# Altium PCB PCB2.PcbDoc (part 2 of 2)
Units mil, origin at the board's own origin, x right, y up, seen from the top; angles counter-clockwise.
Board outline 3937.01 x 3937.01 mil, 4 copper layers (Top Layer, PWR3, GND2, Bottom Layer), stack 72.967 mil thick; 154 components, 220 nets, 667 pads, 462 vias.
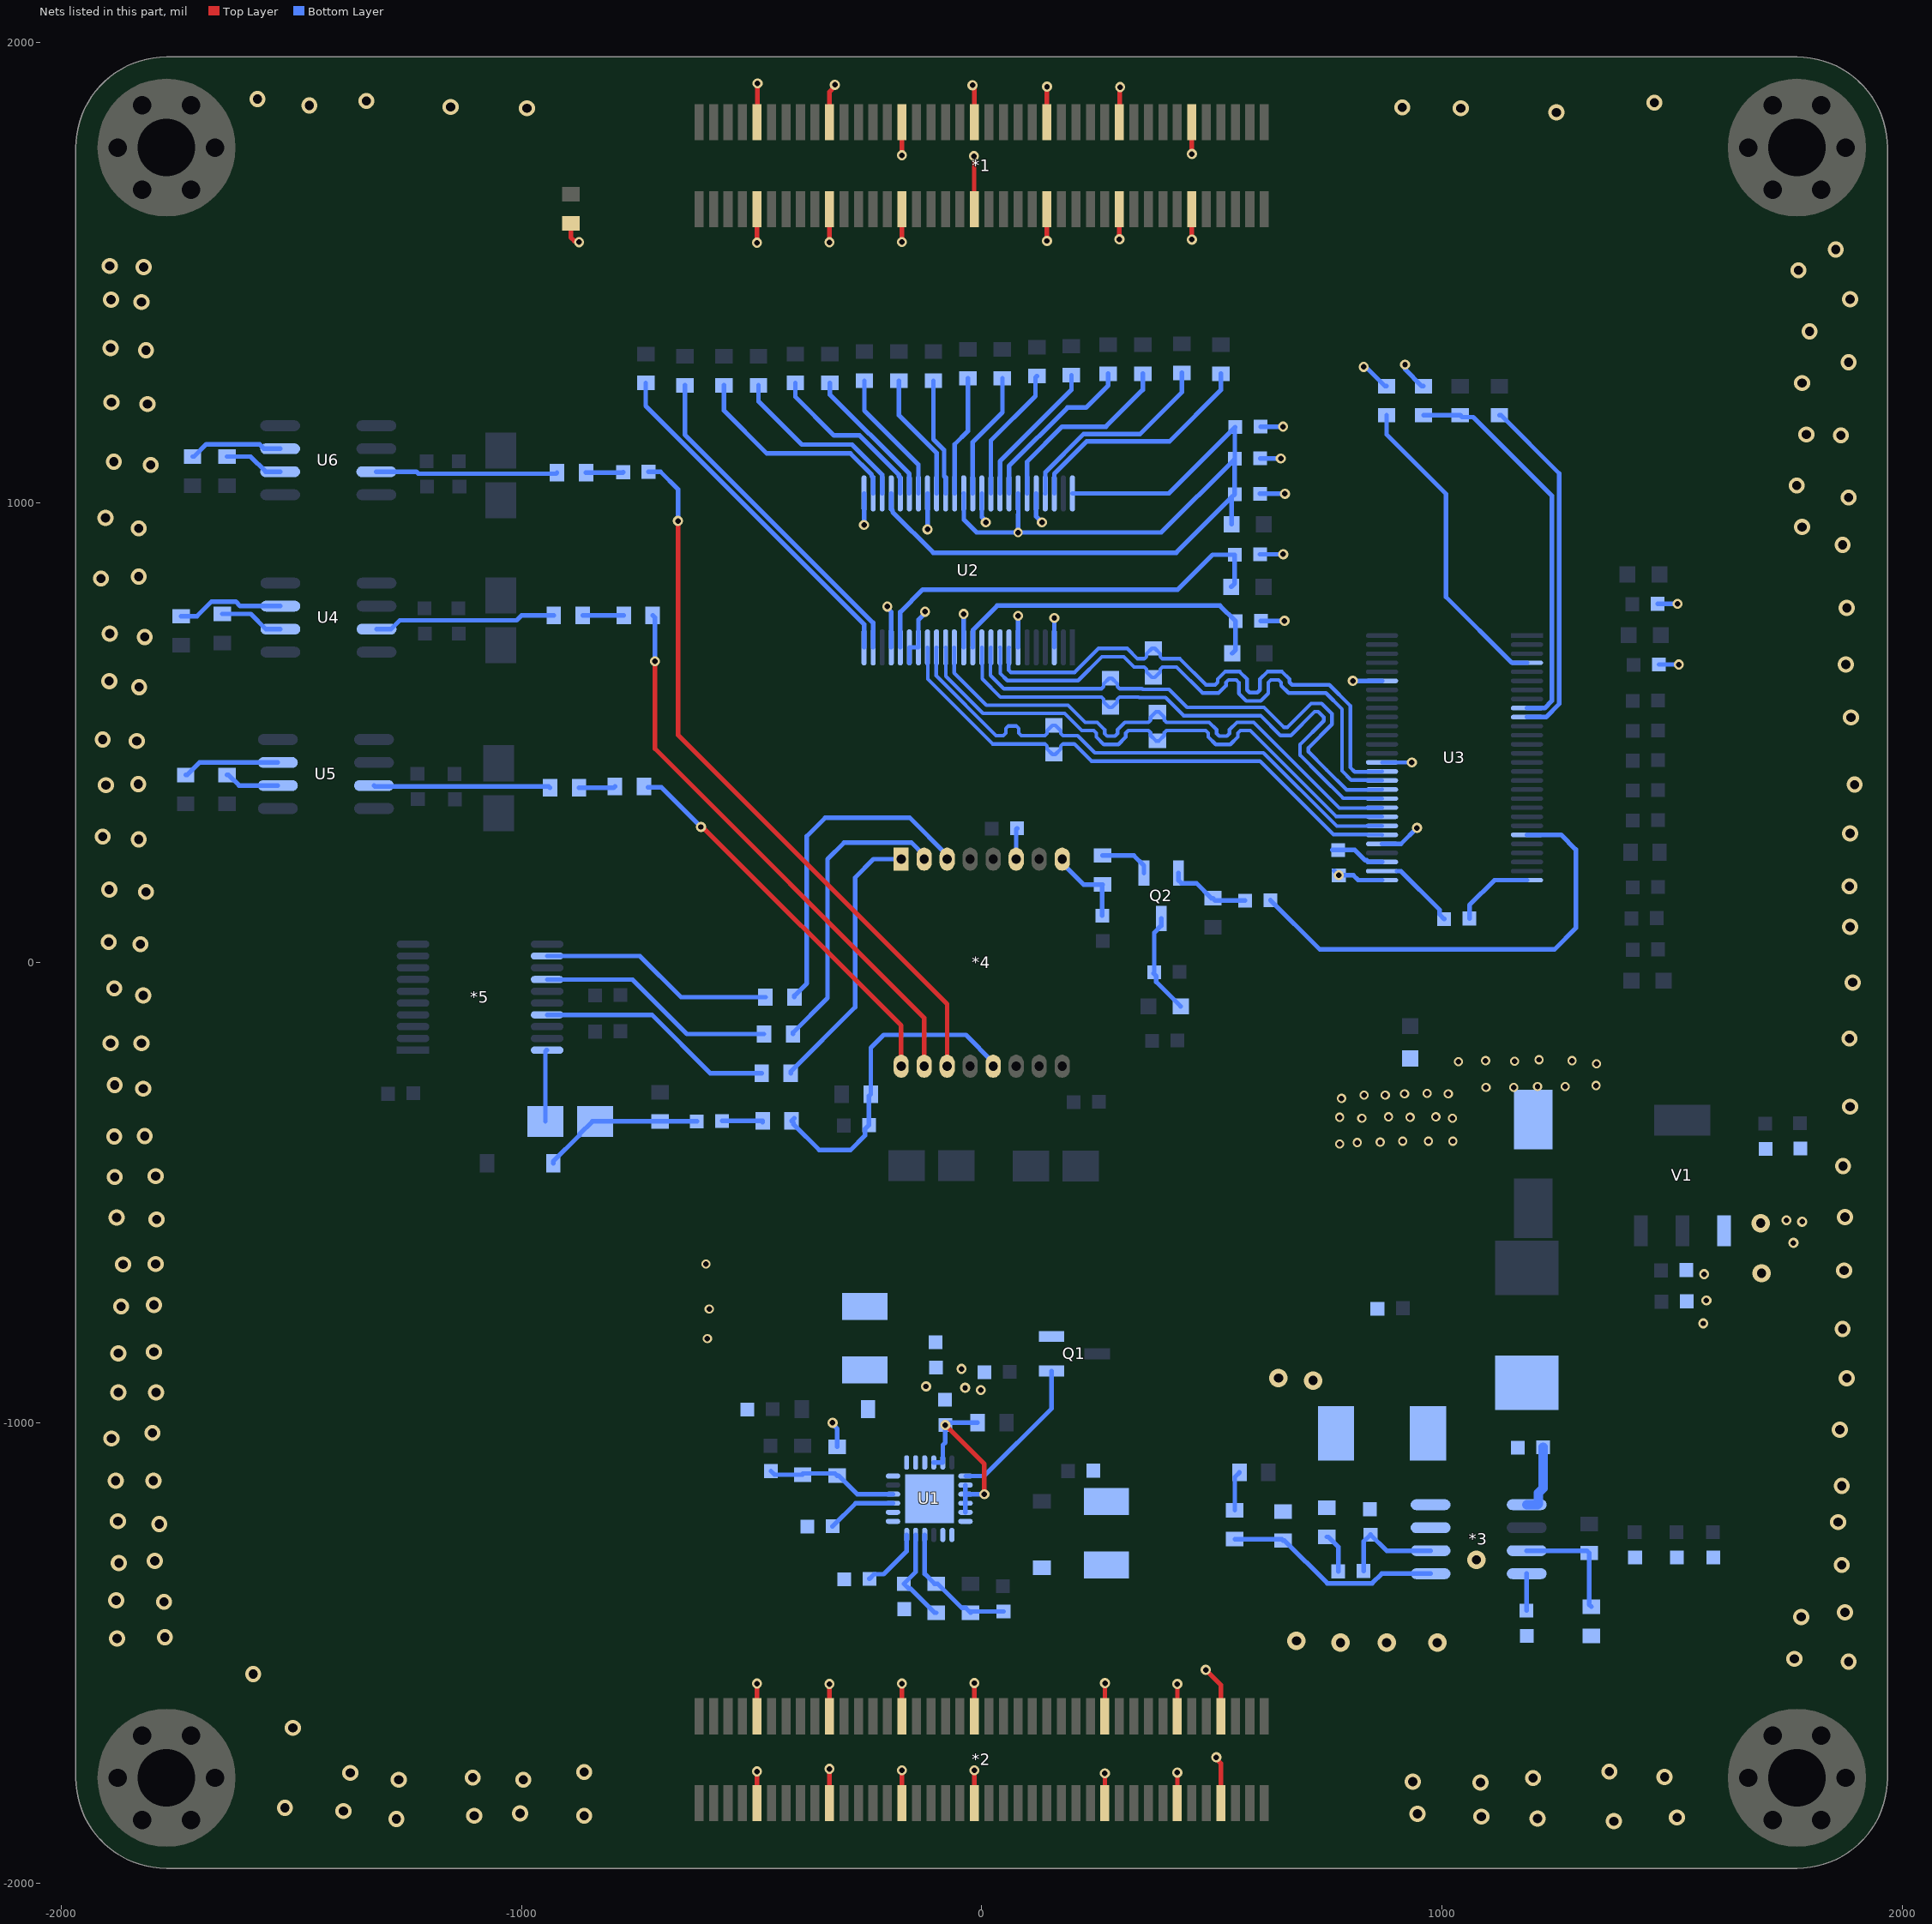
[diagram p4: the nets of this part, all layers, seen from the top]

## Via types
v1: diameter 20, hole 12, Top Layer to Bottom Layer, 172 vias
v2: diameter 22, hole 12, Top Layer to Bottom Layer, 145 vias
v3: diameter 35, hole 20, Top Layer to Bottom Layer, 128 vias
v4: diameter 40, hole 20, Top Layer to Bottom Layer, 14 vias
v5: diameter 50, hole 25, Top Layer to Bottom Layer, 3 vias

## Nets (pads, with @x,y where several pads share a name; then routed paths per layer and width w, separated by ;. In a path a pad name is that pad's centre, name@x,y a point inside that pad or via, vN(x,y) a via of type N, cw(c..) or ccw(c..) an arc to the next point about the centre after c; other vN are vias at no path point) (continued)
GND: *1.9 *1.10 *1.19 *1.20 *1.29 *1.30 *1.39 *1.40 *1.49 *1.50 *1.59 *1.60 *1.69 *1.70 *2.7 *2.8 *2.13 *2.14 *2.23 *2.24 *2.41 *2.42 *2.51 *2.52 *2.61 *2.62 *2.71 *2.72 *3.7 C1.1 C3.1 C4.1 C5.1 C6.1 C7.1 C8.1 C9.1 C10.1 C12.2 C13.2 C14.2 C16.1 C17.1 C18.1 C19.1 C21.1 C22.1 C23.1 C24.1 C25.1 C26.1 C32.1 C34.2 C38.1 C39.1 D3.A EC1.2 L2.1 L9.1 R2.1 R8.1 R10.1 R11.1 R12.1 R16.1 R33.1 U1.2 U1.3 U1.12 U1.19 U1.20 U1.25 U2.3 U2.7 U2.13 U2.18 U2.19 U2.21 U2.25 U2.32 U2.38 U2.44 U3.29 U3.33 U3.42 U3.51 V1.1 | length 3769
  Top Layer w10: R33.1@-893,1607.01 -893,1576.26 -885.15,1568.41 -877.18,1568.41 v2(-874.89,1566.11) ; *2.71@-488.19,-1826.77 v2(-488.19,-1757.81) ; *2.72@-488.19,-1637.8 v2(-488.19,-1566.81) ; v2(-488.19,1564.81) *1.10@-488.19,1637.8 ; *1.9@-488.19,1826.77 -487.6,1827.37 -487.6,1910.4 v2(-487,1911) ; *2.61@-330.71,-1826.77 v2(-330.71,-1752.29) ; *2.62@-330.71,-1637.8 v2(-330.71,-1567.71) ; v2(-330.71,1565.71) *1.20@-330.71,1637.8 ; *1.19@-330.71,1826.77 -330.71,1893.04 -319,1904.75 v2(-319,1908) ; *2.51@-173.23,-1826.77 v2(-173.23,-1755.23) ; *2.52@-173.23,-1637.8 v2(-173.23,-1566.77) ; v2(-173.23,1566.23) *1.30@-173.23,1637.8 ; v2(-173.23,1754.77) *1.29@-173.23,1826.77 ; v2(-20,1907) -20,1903.75 -15.87,1899.63 -15.87,1826.9 *1.39@-15.75,1826.77 ; v2(-17,1753) -16.37,1752.37 -16.37,1638.42 *1.40@-15.75,1637.8 ; *2.41@-15.75,-1826.77 v2(-15.75,-1755.25) ; *2.42@-15.75,-1637.8 v2(-15.75,-1565.75) ; v2(141.73,1568.73) *1.50@141.73,1637.8 ; *1.49@141.73,1826.77 141.87,1826.91 141.87,1903.87 v2(142,1904) ; *2.23@267.72,-1826.77 v2(267.72,-1761.72) ; *2.24@267.72,-1637.8 267.86,-1637.65 267.86,-1566.14 v2(268,-1566) ; v2(299.21,1572.21) *1.60@299.21,1637.8 ; *1.59@299.21,1826.77 300.11,1827.66 300.11,1902.11 v2(301,1903) ; *2.13@425.2,-1826.77 v2(425.2,-1760.2) ; *2.14@425.2,-1637.8 v2(425.2,-1567.8) ; v2(456.69,1571.69) *1.70@456.69,1637.8 ; v2(456.69,1757.69) *1.69@456.69,1826.77 ; v2(487,-1537) 519.69,-1569.69 *2.8@519.69,-1637.8 ; v2(510,-1727) 510,-1730.25 519.69,-1739.93 *2.7@519.69,-1826.77
  Bottom Layer w8: U3.42@870,435.31 v2(934.69,435.31)
  Bottom Layer w10: v2(-324,-1000) -324,-1003.25 -314,-1013.25 R2.1@-314,-1052.01 ; v2(-255.59,951.41) U2.25@-255.59,1020 ; v2(-205,774) -205,770.75 -196.54,762.29 U2.21@-196.54,685.35 ; U2.19@-157.17,651.21 U2.19@-157.17,685.35 U2.18@-137.48,685.35 -137.48,745.27 -123,759.75 v2(-123,763) ; v2(-117.8,941.8) U2.32@-117.8,1020 ; U2.13@-39.05,685.35 v2(-39.05,757.95) ; U2.38@0.31,1020 0.31,968.4 9,959.72 v2(9,957) ; U2.7@79.06,685.35 v2(79.06,753.94) ; U2.44@118.43,1020 118.43,969.57 v2(131,957) ; U2.3@157.8,685.35 v2(157.8,749.2) ; C32.1@604.79,887.67 v2(655.33,887.67) ; C24.1@604.79,1019.11 v2(658.89,1019.11) ; C23.1@605,1096 v2(650,1096) ; C25.1@606,1165 v2(655,1165) ; C26.1@606.79,743 v2(658,743) ; C34.2@766,200 v2(776,190) 807.7,190 818.3,179.41 U3.29@870,179.41 ; v2(806.48,612.48) U3.51@870,612.48 ; v2(830,1295) 834.74,1295 876.75,1252.99 R16.1@880,1252.99 ; U3.33@870,258.15 911.15,258.15 v2(946,293) ; v2(920,1300) 920,1289.74 956.75,1252.99 R12.1@960,1252.99 ; C38.1@1469,780 v2(1512,780) ; C39.1@1472,648 v2(1515,648)
  other v1: -596,-817 -592,-753 -599,-655 778,-394 816,-391 866,-390 915,-388 971,-388 1024,-388 826,-338 1023,-338 778,-336 931,-336 884,-335 987,-335 782,-295 831,-288 877,-288 919,-285 1014,-285 968,-284 1096,-271 1156,-271 1208,-269 1268,-269 1335,-267 1336,-220 1036,-215 1158,-214 1095,-213 1283,-213 1211,-211
  other v2: -2,-929 -36,-924 -121,-921 -44,-883 1568,-784 1575,-734 1570,-677 1764,-609 1783,-563 1749,-560
  other v3: 1374,-1866 -1272,-1861 1208,-1860 1511,-1858 1086,-1856 -1103,-1854 -864,-1854 947,-1850 -1003,-1849 -1387,-1844 -1514,-1837 1084,-1782 937,-1780 -1267,-1776 -996,-1776 1198,-1772 -1106,-1771 1484,-1770 -1372,-1761 -864,-1759 1364,-1758 -1497,-1663 -1583,-1546 1884,-1519 1766,-1513 -1879,-1469 -1775,-1466 1781,-1422 1876,-1412 -1777,-1389 -1881,-1386 1869,-1309 -1875,-1305 -1797,-1300 -1787,-1220 1861,-1216 -1877,-1214 1869,-1137 -1882,-1126 -1800,-1126 -1891,-1034 -1802,-1022 1865,-1015 -1876,-934 -1794,-934 1880,-903 -1876,-849 -1799,-846 1871,-796 -1870,-747 -1799,-744 1874,-669 -1866,-656 -1795,-655 -1793,-558 -1880,-554 1876,-553 -1884,-466 -1795,-464 1872,-442 -1885,-378 -1819,-377 1887,-313 -1822,-274 -1884,-266 -1893,-175 -1826,-175 1886,-165 -1822,-71 -1885,-56 1893,-43 -1828,40 -1897,45 1887,78 -1816,154 -1896,159 1886,166 -1832,268 -1910,274 1887,281 -1903,386 1897,387 -1833,388 -1836,482 -1910,485 1889,533 -1831,599 -1896,612 1878,648 -1819,708 -1895,715 1880,771 -1914,835 -1832,839 1871,908 -1832,944 1783,947 -1904,967 1884,1011 1771,1037 -1806,1082 -1886,1089 1867,1146 1792,1148 -1813,1214 -1891,1218 1783,1260 1884,1305 -1816,1331 -1893,1336 1799,1372 -1826,1436 -1892,1441 1887,1442 1775,1505 -1821,1512 -1895,1514 1856,1550 1249,1848 -988,1857 1041,1857 914,1859 -1154,1860 -1461,1863 1462,1869 -1337,1873 -1574,1877
  other v4: 780,-1478 880,-1478 990,-1478 684.09,-1474.13 1075,-1298 720,-908 645,-903 1695,-675 1693,-566
H1: *4.15 R42.1 | length 1224.4
  Top Layer w10: v2(-710,655) -710,465 -125,-120 *4.15@-125,-225
  Bottom Layer w10: R42.1@-715,755 -710,750 v2(-710,655)
H2: *4.16 R43.1 | length 852.7
  Top Layer w10: v2(-610,295) -606.75,295 -175,-136.75 *4.16@-175,-225
  Bottom Layer w10: R43.1@-725,381 -696,381 v2(-610,295)
Net*3_1: *3.1 C15.1 | length 153.6
  Bottom Layer w20: *3.1@1184.49,-1178 1208.13,-1178 1209.8,-1176.33 1209.8,-1152.69 1220,-1142.49 C15.1@1220,-1053
Net*3_3: *3.3 R7.1 R8.2 | length 256.7
  Bottom Layer w10: *3.3@1184.49,-1278 1315,-1278 R7.1@1320,-1283 1320,-1395.01 R8.2@1325,-1400.01
Net*3_4: *3.4 C22.2 | length 80.2
  Bottom Layer w10: C22.2@1184,-1408 1184.49,-1407.51 *3.4@1184.49,-1328
Net*3_5: *3.5 R9.1 R11.2 | length 474
  Bottom Layer w10: R9.1@550,-1253 652.01,-1253 R11.2@655,-1255.99 658.25,-1255.99 751.26,-1349 848.56,-1349 869.56,-1328 *3.5@975.51,-1328
Net*3_6: *3.6 C20.2 C21.2 | length 230.2
  Bottom Layer w10: C20.2@830,-1322 830,-1258 C21.2@845,-1243 880,-1278 *3.6@975.51,-1278
Net*3_8: *3.8 C15.2 D3.K L3.1
Net*4_6: *4.6 C41.1 | length 67.8
  Bottom Layer w10: *4.6@75,225 75,290 C41.1@77,292
Net*5_12: *5.12 R47.2 | length 511.4
  Bottom Layer w10: *5.12@-944.33,14.57 -742.77,14.57 -653.2,-75 R47.2@-470,-75
Net*5_14: *5.14 R46.2 | length 520.4
  Bottom Layer w10: *5.14@-944.33,-36.61 -758.67,-36.61 -640.28,-155 R46.2@-472.99,-155
Net*5_17: *5.17 R45.2 | length 518.8
  Bottom Layer w10: *5.17@-944.33,-113.39 -716.61,-113.39 -590,-240 R45.2@-477.99,-240
Net*5_20: *5.20 TC4.2 | length 157.1
  Bottom Layer w10: TC4.2@-948.15,-345 -948.15,-192.81 -945.49,-190.16 *5.20@-944.33,-190.16
NetC1_2: C1.2 L1.1 Q1.2
NetC2_1: C2.1 R1.1 R2.2 U1.22 | length 287.3
  Bottom Layer w10: C2.1@-458,-1105 -450.01,-1112.99 R1.1@-389,-1112.99 ; R1.1@-389,-1110 -319,-1110 R2.2@-314,-1115 -310.75,-1115 -270.59,-1155.16 U1.22@-192.73,-1155.16
NetC4_2: C4.2 R3.2 U1.17 | length 212.9
  Bottom Layer w10: U1.17@-143.52,-1243.74 -143.52,-1324.53 C4.2@-169,-1350 -159,-1360 -155.24,-1360 -102.25,-1412.99 R3.2@-99,-1412.99
NetC10_2: C10.2 R4.1 U1.4 U1.5 U1.8 U1.9 U1.10 U1.11 | length 453.7
  Top Layer w10: v2(-79,-1005) 5.84,-1089.84 v2(5.84,-1155.16)
  Bottom Layer w10: U1.4@-104.15,-1086.26 U1.5@-84.47,-1086.26 -84.47,-1048.11 -79,-1042.64 v2(-79,-1005) ; C10.2@-74,-1000 R4.1@-9,-1000 ; U1.11@-35.26,-1194.53 U1.10@-35.26,-1174.84 U1.9@-35.26,-1155.16 ; U1.8@-35.26,-1135.47 U1.9@-35.26,-1155.16 ; v2(5.84,-1155.16) U1.9@-35.26,-1155.16
NetC11_2: C11.2 R3.1 R5.2 U1.16 | length 292
  Bottom Layer w10: U1.16@-123.84,-1243.74 -123.84,-1328.41 -102.25,-1350 R3.1@-99,-1350 -95.75,-1350 -43.51,-1402.24 -34.75,-1402.24 R5.2@-24,-1412.99 -21.22,-1410.21 C11.2@47.35,-1410.21
NetC13_1: C13.1 U1.21 | length 152
  Bottom Layer w10: C13.1@-324,-1225 -273.85,-1174.84 U1.21@-192.73,-1174.84
NetC14_1: C14.1 U1.18 | length 141.2
  Bottom Layer w10: C14.1@-244,-1339 -234,-1329 -213,-1329 -162.9,-1278.89 U1.18@-162.9,-1243.74
NetC20_1: C20.1 R10.2 | length 87.3
  Bottom Layer w10: R10.2@750,-1248 753.25,-1248 775,-1269.75 C20.1@775,-1323
NetC23_2: C23.2 C24.2 C25.2 L4.2 U2.28 U2.36 U2.42 U2.48 | length 2296.1
  Bottom Layer w10: U2.28@-196.54,1020 -196.54,985.86 -193.35,982.67 -193.35,979.3 -105.05,891 422.68,891 C24.2@543,1011.32 ; U2.36@-39.05,1020 -38.86,1019.81 -38.86,962.86 -11,935 v1(79,935) ; U2.42@79.06,985.86 U2.42@79.06,1020 ; U2.42@79.56,981.98 79.56,974.65 79,974.1 v1(79,935) ; U2.48@197.17,1020 407,1020 C25.2@550,1163 ; L4.2@543,953 C24.2@543,1011.32 ; C25.2@551,1164 C25.2@550,1163 ; v1(79,935) 390,935 C23.2@549.79,1094.79 ; C24.2@543,1011.32 C24.2@549.79,1018.11 C23.2@549.79,1094.79 ; C23.2@549.79,1094.79 C23.2@550,1095 C25.2@550,1163
NetC26_2: C26.2 L5.2 U2.12 | length 717.5
  Bottom Layer w10: U2.12@-19.37,685.35 -19.18,685.55 -19.18,723.06 33.7,775.94 517.84,775.94 C26.2@551.79,742 551.79,679.8 L5.2@544.32,672.34
NetC32_2: C32.2 L6.2 U2.20 | length 927.8
  Bottom Layer w10: U2.20@-176.85,685.35 -176.85,762.15 -128,811 426,811 501.67,886.67 C32.2@549.79,886.67 549.79,824.47 L6.2@542.32,817
NetC33_1: C33.1 U3.30 | length 151
  Bottom Layer w10: U3.30@902.94,199.09 910.91,199.09 995,115 995,105 C33.1@1005,95
NetC33_2: C33.2 U3.28 | length 176.5
  Bottom Layer w10: C33.2@1060,96 1060,125 1114.41,179.41 U3.28@1184.96,179.41
NetC34_1: C34.1 U3.31 | length 118.5
  Bottom Layer w10: C34.1@762.37,245 810.84,245 833.37,222.46 836.32,222.46 840,218.78 U3.31@870,218.78
NetC40_2: C40.2 L11.1 Q2.3 | length 219.9
  Bottom Layer w10: C40.2@373,-23 379.36,-29.36 379.36,-41.86 L11.1@432.5,-95 ; C40.2@375,-21 375,65.18 390.1,80.28 Q2.3@390.1,96.03
NetC44_2: C44.2 Q2.2 R41.2 | length 179.1
  Bottom Layer w10: Q2.2@427.5,195 427.5,179.25 434.31,172.44 466.81,172.44 499.25,140 R41.2@502.5,140 507.5,135 C44.2@572.5,135
NetC46_2: C46.2 R56.1 | length 81.4
  Bottom Layer w10: R56.1@-860,1065 -780,1065 C46.2@-779,1066
NetC49_1: C49.1 R44.2 | length 91.3
  Bottom Layer w10: C49.1@-564,-344 -476.13,-344 R44.2@-476,-343.87 R44.2@-476,-347.12
NetC49_2: C49.2 D4.K R51.2 TC4.1 | length 353.2
  Bottom Layer w10: D4.K@-931,-436 -931,-432.06 -874.37,-375.43 -874.37,-373.46 -845.91,-345 TC4.1@-840,-345 R51.2@-699,-345 C49.2@-619,-345
NetD1_A: D1.A L1.2 U1.1 U1.24
NetD2_K: D2.K L2.2 U1.13 U1.14
NetQ1_1: Q1.1 U1.7 | length 329.4
  Bottom Layer w10: U1.7@-35.06,-1115.6 5.4,-1115.6 152.03,-968.97 Q1.1@152.03,-887.41
NetQ2_1: Q2.1 R39.1 | length 114.7
  Bottom Layer w10: R39.1@263,232.99 330.45,232.99 352.7,210.75 Q2.1@352.7,195
NetR6_1: R6.1 R9.2 | length 86.2
  Bottom Layer w10: R9.2@550,-1190.01 550,-1118 R6.1@560,-1108
NetR12_2: R12.2 R25.2 U3.9 | length 858
  Bottom Layer w10: R12.2@960,1190 R25.2@1040,1190 1044.14,1185.86 1068.14,1185.86 1239,1015 1239,569 1223.43,553.43 U3.9@1184.96,553.43
NetR13_1: R13.1 U2.24 | length 771.2
  Bottom Layer w10: R13.1@-730,1260 -730,1210 -255.59,735.59 U2.24@-255.59,685.35
NetR14_1: R14.1 U2.26 | length 475.6
  Bottom Layer w10: R14.1@-560,1255 -560,1200 -467,1107 -285.39,1107 -239.09,1060.7 -239.09,1057.32 -235.91,1054.14 U2.26@-235.91,1020
NetR15_1: R15.1 U2.27 | length 410.3
  Bottom Layer w10: R15.1@-485,1255 -485,1220 -391,1126 -281.76,1126 -216.41,1060.65 -216.41,1020.19 U2.27@-216.22,1020
NetR16_2: R16.2 U3.4 | length 683.8
  Bottom Layer w10: R16.2@880,1190 880,1148 1009,1019 1009,794.87 1152.02,651.85 U3.4@1184.96,651.85
NetR18_1: R18.1 U2.29 | length 367.1
  Bottom Layer w10: R18.1@-405,1260 -405,1230 -321,1146 -265.33,1146 -180.04,1060.7 -180.04,1057.76 -180.04,1057.33 -176.85,1054.14 U2.29@-176.85,1020
NetR19_1: R19.1 U2.30 | length 311.6
  Bottom Layer w10: R19.1@-330,1260 -330,1235 -157.36,1062.36 -157.36,1020.19 U2.30@-157.17,1020
NetR21_1: R21.1 U2.31 | length 293.7
  Bottom Layer w10: R21.1@-255,1265 -255,1200 -137.48,1082.48 U2.31@-137.48,1020
NetR22_1: R22.1 U2.33 | length 278.9
  Bottom Layer w10: R22.1@-180,1265 -180,1190 -98.11,1108.11 U2.33@-98.11,1020
NetR24_1: R24.1 U2.34 | length 256
  Bottom Layer w10: R24.1@-105,1265 -105,1137.63 -81.61,1114.24 -81.61,1057.32 -78.43,1054.14 U2.34@-78.43,1020
NetR26_1: R26.1 U2.35 | length 261.9
  Bottom Layer w10: U2.35@-58.74,1020 -58.74,1126.61 -30,1155.35 R26.1@-30,1270
NetR27_2: R27.2 U3.10 | length 765.3
  Bottom Layer w10: R27.2@1125,1190 1128.25,1190 1255,1063.25 1255,562.37 1226.37,533.74 U3.10@1184.96,533.74
NetR29_1: R29.1 U2.37 | length 276.7
  Bottom Layer w10: U2.37@-19.37,1020 -19.37,1131.6 45,1195.98 R29.1@45,1270
NetR30_1: R30.1 U2.39 | length 296.4
  Bottom Layer w10: U2.39@20,1020 20,1135 116.75,1231.75 116.75,1271.75 R30.1@120,1275
NetR31_1: R31.1 U2.40 | length 321.3
  Bottom Layer w10: U2.40@39.69,1020 39.69,1089.69 195,1245 R31.1@195,1277.01
NetR32_1: R32.1 U2.41 | length 372.7
  Bottom Layer w10: U2.41@59.37,1020 59.37,1079.37 186.43,1206.43 226.43,1206.43 275,1255 R32.1@275,1280
NetR34_1: R34.1 U2.43 | length 419.7
  Bottom Layer w10: U2.43@98.74,1020 98.74,1088.74 174.98,1164.98 269.98,1164.98 350,1245 R34.1@350,1280
NetR35_1: R35.1 U2.45 | length 456.8
  Bottom Layer w10: U2.45@138.11,1020 138.3,1020.19 138.3,1065.93 221.35,1148.98 343.98,1148.98 435,1240 R35.1@435,1282.01
NetR36_1: R36.1 U2.46 | length 515.5
  Bottom Layer w10: U2.46@157.8,1020 157.83,1062.83 227.98,1132.98 407.98,1132.98 520,1245 R36.1@520,1280
NetR37_1: R37.1 U2.23 | length 739.1
  Bottom Layer w10: R37.1@-645,1255 -645,1147.63 -236.1,738.73 -236.1,685.55 U2.23@-235.91,685.35
NetR42_2: R42.2 R49.1 | length 89
  Bottom Layer w10: R49.1@-867.01,755 R42.2@-777.99,755
NetR43_2: R43.2 R53.1 | length 79.2
  Bottom Layer w10: R53.1@-875,380 -800,380 R43.2@-797,383
NetR48_2: R48.2 U4.2 | length 139.7
  Bottom Layer w10: R48.2@-1650,757.99 -1588.46,757.99 -1555.47,725 U4.2@-1523.98,725
NetR49_2: R49.2 U4.7 | length 397.4
  Bottom Layer w10: U4.7@-1315,725 -1283.5,725 -1264.5,744 -1010.76,744 -999.76,755 R49.2@-930,755
NetR50_1: R50.1 U4.3 | length 233.2
  Bottom Layer w10: R50.1@-1740,752.99 -1705.3,752.99 -1673.55,784.74 -1621.23,784.74 -1611.49,775 U4.3@-1523.98,775
NetR52_2: R52.2 U5.2 | length 120
  Bottom Layer w10: R52.2@-1640,407.99 -1636.75,407.99 -1613.76,385 U5.2@-1529.49,385
NetR53_2: R53.2 U5.7 | length 384.6
  Bottom Layer w10: U5.7@-1320.51,385 -1318.29,382.78 -940.77,382.78 R53.2@-937.99,380
NetR54_1: R54.1 U5.3 | length 211.7
  Bottom Layer w10: R54.1@-1730,407.99 -1726.75,407.99 -1699.74,435 U5.3@-1529.49,435
NetR55_2: R55.2 U6.2 | length 129.2
  Bottom Layer w10: R55.2@-1640,1100 -1588.98,1100 -1555.98,1067.01 U6.2@-1524.49,1067.01
NetR56_2: R56.2 U6.7 | length 395.2
  Bottom Layer w10: U6.7@-1315.51,1067.01 -1228.56,1067.01 -1224.34,1062.78 -925.21,1062.78 R56.2@-922.99,1065
NetR57_1: R57.1 U6.3 | length 205.6
  Bottom Layer w10: R57.1@-1715,1100 -1711.75,1100 -1685,1126.75 -1569.41,1126.75 -1559.67,1117.01 U6.3@-1524.49,1117.01
OS: C44.1 U3.23 | length 1017.1
  Bottom Layer w10: C44.1@627.5,136 734.5,29 1245,29 1291,75 1291,246 1259.17,277.83 U3.23@1184.96,277.83
RG: *4.14 C46.1 | length 1571.1
  Top Layer w10: v2@-660,955 -660,495 -75,-90 *4.14@-75,-225
  Bottom Layer w10: C46.1@-724,1067 -698,1067 -660,1029 v2(-660,960)
SUB: *4.12 C42.2 R40.2 R44.1 | length 724.1
  Bottom Layer w10: R44.1@-407.01,-337.87 R44.1@-413.01,-343.87 -408.88,-348 -408.88,-351.25 -353,-407.13 -285.13,-407.13 -253.61,-375.61 -253.61,-361.61 C42.2@-245,-353 -245,-289.99 R40.2@-241.01,-286 -241.01,-185.01 -213,-157 -34.5,-157 25,-216.5 *4.12@25,-225 *4.12@25,-233.5
TXCLK+: R28.2 U2.17 U3.34 | length 1222.3
  Bottom Layer w8: U2.17@-117.8,685.35 -117.22,684.78 -117.22,648.79 -116.95,648.52 -116.95,616.28 23.82,475.5 137.32,475.5 142,470.82 142,464.76 153.75,453.01 R28.2@157,453.01 160.25,453.01 172,464.76 172,470.82 176.68,475.5 201.13,475.5 238.37,438.26 604.74,438.26 764.32,278.68 837.74,278.68 838.2,278.22 869.62,278.22 U3.34@870,277.83
TXCLK-: R28.1 U2.16 U3.35 | length 1221.6
  Bottom Layer w8: U2.16@-98.11,685.35 -98.68,684.78 -98.68,648.79 -98.95,648.52 -98.95,623.73 31.28,493.5 34.87,493.5 46.8,493.5 52.4,499.1 52.4,509.02 58,514.62 74.8,514.62 80.4,509.02 80.4,499.1 86,493.5 118,493.5 137.32,493.5 142,498.19 142,504.25 153.75,516 R28.1@157,516 160.25,516 172,504.25 172,498.19 176.68,493.5 208.58,493.5 245.83,456.26 612.2,456.26 771.78,296.68 837.74,296.68 838.2,297.14 869.62,297.14 U3.35@870,297.52
TXOUT0+: R17.2 U2.9 U3.40 | length 1227.6
  Bottom Layer w8: U2.9@39.69,685.35 40.26,684.78 40.26,648.79 40.53,648.52 40.53,628.36 55.76,613.13 209.41,613.13 261.28,665 308.79,665 331.3,642.5 353.32,642.5 358,637.81 358,631.75 369.75,620 R17.2@373,620 376.25,620 388,631.75 388,637.81 392.68,642.5 423.5,642.5 480,586 489.5,586 514.61,586 530.76,602.14 530.76,608.97 536.36,614.57 553.16,614.57 558.76,608.97 558.76,585.14 574.9,569 606.61,569 622.76,585.14 622.76,608.97 628.36,614.57 645.16,614.57 650.76,608.97 650.76,602.14 666.9,586 729.63,586 748,586 783,551 783,417 803.21,396.79 837.74,396.79 838.2,396.33 869.62,396.33 U3.40@870,395.94
TXOUT0-: R17.1 U2.8 U3.41 | length 1197.8
  Bottom Layer w8: U2.8@59.37,685.35 58.8,684.78 58.8,648.79 58.53,648.52 58.53,635.82 63.21,631.13 201.96,631.13 253.82,683 316.25,683 338.75,660.5 353.32,660.5 358,665.18 358,671.24 369.75,682.99 R17.1@373,682.99 376.25,682.99 388,671.24 388,665.18 392.68,660.5 430.96,660.5 487.46,604 489.5,604 507.16,604 512.76,609.6 512.76,616.42 528.9,632.57 560.61,632.57 576.76,616.42 576.76,592.6 582.36,587 599.16,587 604.76,592.6 604.76,616.42 620.9,632.57 652.61,632.57 668.76,616.42 668.76,609.6 674.36,604 729.63,604 755.46,604 801,558.46 801,424.46 810.67,414.79 837.74,414.79 838.2,415.25 869.62,415.25 U3.41@870,415.63
TXOUT1+: R20.2 U2.11 U3.38 | length 1231.7
  Bottom Layer w8: U2.11@0.32,685.35 0.89,684.78 0.89,648.79 1.16,648.52 1.16,617.06 40.73,577.5 260.32,577.5 265,572.81 265,566.75 276.75,555 R20.2@280,555 ; R20.2@283.25,555 295,566.75 295,572.81 299.68,577.5 341.16,577.5 342.41,576.25 399.63,576.25 438.89,537 543.19,537 606,537 649.12,493.88 671.95,493.88 723.51,545.44 731.43,545.44 743.31,533.56 743.31,525.64 691.75,474.08 691.75,451.25 736.11,406.89 785.58,357.42 837.74,357.42 838.2,356.96 869.62,356.96 U3.38@870,356.57
TXOUT1-: R20.1 U2.10 U3.39 | length 1205.1
  Bottom Layer w8: U2.10@20,685.35 19.43,684.78 19.43,648.79 19.16,648.52 19.16,624.52 48.18,595.5 260.32,595.5 265,600.18 265,606.24 276.75,617.99 283.25,617.99 295,606.24 295,600.18 299.68,595.5 348.62,595.5 349.86,594.25 407.09,594.25 446.34,555 561.19,555 613.46,555 656.58,511.88 664.5,511.88 716.06,563.44 738.89,563.44 761.31,541.02 761.31,518.18 709.75,466.62 709.75,458.7 748.84,419.62 793.04,375.42 837.74,375.42 838.2,375.88 869.62,375.88 U3.39@870,376.26
TXOUT2+: R23.2 U2.15 U3.36 | length 1232.2
  Bottom Layer w8: U2.15@-78.42,685.35 -77.98,684.91 -77.98,622.56 2.83,541.75 180.14,541.75 217.38,504.5 231,504.5 243.53,504.5 249.13,498.9 249.13,490.65 265.27,474.5 296.98,474.5 313.13,490.65 313.13,498.9 318.73,504.5 328,504.5 362.32,504.5 367,499.82 367,493.76 378.75,482.01 R23.2@382,482.01 385.25,482.01 397,493.76 397,499.82 401.68,504.5 424,504.5 486.9,504.5 492.5,498.9 492.5,490.65 508.65,474.5 540.36,474.5 556.5,490.65 556.5,498.9 562.1,504.5 571.38,504.5 583.75,504.5 770.21,318.05 837.74,318.05 838.2,317.59 869.62,317.59 U3.36@870,317.2
TXOUT2-: R23.1 U2.14 U3.37 | length 1202.4
  Bottom Layer w8: U2.14@-59.53,685.35 -59.98,684.91 -59.98,630.01 10.29,559.75 187.59,559.75 224.84,522.5 231,522.5 250.98,522.5 267.13,506.36 267.13,498.1 272.73,492.5 289.53,492.5 295.13,498.1 295.13,506.36 311.27,522.5 328,522.5 362.32,522.5 367,527.19 367,533.25 378.75,545 R23.1@382,545 385.25,545 397,533.25 397,527.19 401.68,522.5 424,522.5 494.36,522.5 510.5,506.36 510.5,498.1 516.1,492.5 532.9,492.5 538.5,498.1 538.5,506.36 554.65,522.5 571.38,522.5 591.21,522.5 777.66,336.05 837.74,336.05 838.2,336.51 869.62,336.51 U3.37@870,336.89
V1: *4.3 R47.1 | length 725
  Bottom Layer w10: R47.1@-407.01,-75 -407.01,-71.75 -380,-44.74 -380,275 -340,315 -156.5,315 -75,233.5 *4.3@-75,225
V2: *4.2 R46.1 | length 655.9
  Bottom Layer w10: R46.1@-410,-155 -410,-151.75 -335,-76.75 -335,225 -299,261 -152.5,261 -125,233.5 *4.2@-125,225
V3: *4.1 R45.1 | length 599.6
  Bottom Layer w10: R45.1@-415,-240 -415,-236.75 -275,-96.75 -275,185 -235,225 *4.1@-175,225
VOUT: *4.8 C43.1 R39.2 | length 184.2
  Bottom Layer w10: *4.8@175,225 175,216.5 221.5,170 R39.2@263,170 262,169 C43.1@262,102
pads on no net: *4.4 *5.13 *5.16 *5.19 SP1.1 SP2.1 SP3.1 SP4.1 U2.1 U2.2 U2.4 U2.5 U2.6 U2.47 U3.1 U3.2 U3.3 U3.25 U3.27 U3.45 U3.46 U3.47 U3.48 U3.49 U3.50 U3.53 U3.54 U3.55 U3.56

## Polygon pours and split planes (outlines as drawn)
NetC1_2 on Bottom Layer "Bottom Layer-NetC1_2" (solid, remove dead copper, pour order 55): -52,-825 191,-825 191,-715 -304,-715 -304,-780 -159,-780 -154,-785 -154,-825 -133,-825 -133,-841 -128,-846 -73,-846
NetD2_K on Bottom Layer "NETD2_K_L04_P009" (solid, remove dead copper, pour order 9): -92,-1227 391,-1227 391,-1345 381,-1355 86,-1355 6,-1275 -4,-1265 -92,-1265
NetD1_A on Bottom Layer "NETD1_A_L04_P012" (solid, remove dead copper, pour order 12): -156,-1124 -230,-1124 -269,-1085 -269,-1010 -309,-970 -309,-850 -199,-850 -199,-930 -156,-930
GND on Bottom Layer "GND_L04_P014" (solid, remove dead copper, pour order 14): 26,-955 26,-855 -150,-855 -150,-1125 -119,-1125 -116,-1122 -116,-975 -54,-975 -54,-955
GND on Bottom Layer "GND_L04_P019" (solid, remove dead copper, pour order 19): -279,-1320 -224,-1320 -175,-1271 -175,-1220 -59,-1220 -59,-1110 -170,-1110 -170,-1187 -259,-1187 -259,-1255 -279,-1255
GND on Bottom Layer "GND_L04_P020" (solid, pour order 20): -65.46,-1220.23 -16.98,-1220.23 -16.98,-1205.23 -65.46,-1205.23
GND on Bottom Layer "Bottom Layer-GND" (solid, remove dead copper, pour order 53): 1380,1579 1503,1456 1515,1456 1515,1579 1991,1579 1991,1982 1963,2010 -1990,2001 -1990,1600 -1925,1535 -1814.27,1535 -1807,1472 -1700,1579
GND on Bottom Layer "GND_L04_P045" (solid, remove dead copper, pour order 45): -1974,1599 -1765,1599 -1765,-441 -1064,-1142 -940,-1142 -940,-1138 -707,-905 -707,-594 -493.5,-594 -487.5,-600 -492,-604.5 -492,-1462 1381,-1462 1385,-1466 1479,-1372 1479,1587 1991,1587 1995,1583 1987,1575 1987,-1951 -1978,-1951 -1996,-1969
-7V5 on Bottom Layer "Bottom Layer--7V5" (solid, remove dead copper, pour order 47): 172.5,-1130 212.5,-1130 215.5,-1127 215.5,-1072 222.5,-1065 322.5,-1065 322.5,-922.5 316,-916 182,-916 172,-926 172,-965 168.36,-965 113.36,-1020 97.5,-1020 97.5,-1180 92.5,-1185 172.5,-1185
GND on Bottom Layer "Bottom Layer-GND 1" (solid, remove dead copper, pour order 44): 604.17,-1568 1650,-1568 1660,-1558 1660,-1258 1125,-1258 1120,-1263 1105,-1248 1105,-1183 1050,-1183 1035,-1168 875,-1168 875,-708 860,-693 665.94,-693 cw(c657,-692) 656.5,-700.99 606.5,-750.99 370,-987.49 370,-1072.5 224,-1072.5 224,-1192.5 418,-1192.5 418,-1387.5 -132,-1387.5 -147,-1372.5 -262,-1372.5 -277,-1357.5 -277,-1242.5 -347.5,-1242.5 -347.5,-1170 -487.5,-1170 -487.5,-600 -592.5,-600 -592.5,-1250 -592,-1250 -592,-1497.5 604.98,-1497.5
AGND on Bottom Layer "AGND_L04_P043" (solid, remove dead copper, pour order 43): 302.5,-535 303.5,-534 528.5,-534 855.5,-207 868.5,-220 1605.5,-220 1605.5,503 1504.5,604 1077.5,604 1077.5,599 1027.5,549 1027.5,332 983.5,288 983.5,184 940.5,141 726.5,141 726.5,156 704.77,177.73 704.77,338.23 630,413 -174,413 -535.5,774.5 -535.5,1031 -816.5,1312 -1612.5,1312 -1666.5,1258 -1666.5,198 -1628.5,160 -1265.5,160 -1265.5,-183 -863.5,-585 253.5,-585 304.5,-534
AGND on Bottom Layer "AGND_L04_P042" (solid, remove dead copper, pour order 42): 215,-286 215,-319 184,-319 184,-347 147,-384 148,-385 148,-527 142,-533 -111,-533 -117,-527 -115,-525 -115,-408 -101,-408 -6,-313 -6,-278 6,-266 49,-266 49,-167 53,-163 92,-163 101,-172 101,-269 206,-269 207,-270
+12IN on Bottom Layer "Bottom Layer-+12IN" (solid, remove dead copper, pour order 40): 1125,-1248 1135,-1258 1720,-1258 1720,-977 1699,-956 1445,-956 1383,-1018 1383,-1195.23 1125,-1188
3v3 on Bottom Layer "3V3_L04_P038" (solid, remove dead copper, pour order 38): 579.47,970.07 594.41,985 743,985 760,968 761,968 761,644 743,626 599,626 598,625 583,640 582,640 582,696 593,707 676,707 695,726 697,726 697,778 685,790 595,790 579,806 579,838 593,852 689,852 697,860 697,917 687,927 597,927 596,926 587,935 579,935
GND on Bottom Layer "GND_L04_P037" (solid, remove dead copper, pour order 37): 735,-303 853,-185 1367,-185 1381,-199 1381,-393 1355,-419 735,-419
+5 on Bottom Layer "Bottom Layer-+5" (solid, pour order 36): 1403,-829 1493,-829 1493,-465 731.36,-465 374.36,-819.5 43,-819.5 43,-956.15 41,-957.5 18,-957.5 18,-1027.5 -57,-1027.5 -70,-1040.5 -70,-1091.5 -11,-1091.5 108,-972.5 108,-855.09 295.41,-855.09 295.41,-855.59 404.41,-855.59 701,-559 1146,-559 1146,-600.11 895,-597.29 895,-838 1335,-838 1335,-603 1403,-603
15V on Bottom Layer "Bottom Layer-15V" (solid, remove dead copper, pour order 32): -475,-1068 -360,-1068 -350,-1058 -350,-663.41 291,-663.41 292,-240 314,-218 382,-218 400,-200 400,-83 380,-63 325,-63 325,-158 299,-184 120,-184 110,-194 110,-257 220,-257 229,-266 229,-355 204,-355 172,-387 159,-387 159,-559 160,-560 158,-562 -350,-562 -350,-484 -1024,-484 -1041,-467 -1041,-83 -1028,-70 -919,-70 -919,-54 -1042,-54 -1057,-69 -1057,-316 -1097,-356 -1097,-563 -475,-563
3v3 on Bottom Layer "Bottom Layer-3v3" (solid, remove dead copper, pour order 25): 1445,-376 1822,-376 1822,897 1441,897 1440,896 1440,813 1564,813 1570,807 1570,746 1443,746 1444,745 1444,683 1563,683 1566,680 1565,679 1565,-6 1444,-6 1442,-8 1445,-11 1445,-217.5
GND on Bottom Layer "GND_L04_P002" (solid, pour order 2): 1508,-830 1822,-830 1822,-385 1508,-385
Net*3_8 on Bottom Layer "NET*3_8_L04_P007" (solid, pour order 7): 880,-823 1340,-823 1340,-1197 899,-1197 890,-1188
GND on Top Layer "GND_L01_P057" (solid, remove dead copper, pour order 57): -1999,1965 -1999,-1997 1924,-1997 2002,-1919 2002,2067
AGND on Top Layer "AGND_L01_P056" (solid, remove dead copper, pour order 56): 314.5,-536.5 315.5,-535.5 540.5,-535.5 904,-172 1617.5,-172 1617.5,501.5 1516.5,602.5 1089.5,602.5 1089.5,597.5 1039.5,547.5 1039.5,330.5 995.5,286.5 995.5,182.5 952.5,139.5 738.5,139.5 738.5,154.5 716.77,176.23 716.77,336.73 642,411.5 -162,411.5 -523.5,773 -523.5,1029.5 -804.5,1310.5 -1600.5,1310.5 -1654.5,1256.5 -1654.5,196.5 -1616.5,158.5 -1253.5,158.5 -1253.5,-184.5 -851.5,-586.5 265.5,-586.5 316.5,-535.5
+12IN on Top Layer "+12IN_L01_P041" (solid, remove dead copper, pour order 41): 595.7,-1525.3 534,-1587 534,-1867 545,-1878 728,-1878 818,-1788 818,-1627 719,-1528 687,-1528
+5 on PWR3 (split plane): -761.09,1072.82 -761.09,232.18 -826.18,167.09 -1442.93,167.09 -1445.54,166.74 -1446.25,166.45 -1447.97,165.73 -1450.06,164.13 -1506.13,108.06 -1507.74,105.97 -1508.74,103.54 -1509.09,100.93 -1509.09,-1266 -1508.74,-1268.61 -1507.74,-1271.04 -1506.13,-1273.13 -1286.13,-1493.13 -1284.04,-1494.74 -1283.33,-1495.03 -1281.61,-1495.74 -1279,-1496.09 393,-1496.09 395.61,-1495.74 398.04,-1494.74 400.13,-1493.13 722.13,-1171.13 723.73,-1169.04 724.03,-1168.33 724.74,-1166.61 725.09,-1164 725.09,-487.18 748.18,-464.09 1003.82,-464.09 1021.91,-482.18 1021.91,-544.82 1008.82,-557.91 848,-557.91 845.39,-558.26 842.96,-559.26 840.87,-560.87 817.87,-583.87 816.27,-585.96 815.26,-588.39 814.91,-591 814.91,-1500.91 634,-1500.91 631.39,-1501.26 630.68,-1501.55 628.96,-1502.26 626.87,-1503.87 542.87,-1587.87 541.27,-1589.96 540.26,-1592.39 539.91,-1595 539.91,-1948.41 -1783.24,-1948.41 -1806.21,-1945.38 -1828.59,-1939.39 -1850,-1930.52 -1870.06,-1918.93 -1888.45,-1904.83 -1904.83,-1888.45 -1918.93,-1870.06 -1930.52,-1850 -1939.39,-1828.59 -1945.38,-1806.21 -1948.41,-1783.24 -1948.41,-1771.65 -1948.41,1082.91 -973,1082.91 -970.39,1083.26 -967.96,1084.27 -965.87,1085.87 -942.82,1108.91 -797.18,1108.91
GND on PWR3 (split plane): 1806.21,1945.38 1828.59,1939.39 1850,1930.52 1870.06,1918.93 1888.45,1904.83 1904.83,1888.45 1918.93,1870.06 1930.52,1850 1939.39,1828.59 1945.38,1806.21 1948.41,1783.24 1948.41,1771.65 1948.41,-945.91 1423,-945.91 1420.39,-946.26 1418.67,-946.97 1417.96,-947.26 1415.87,-948.87 1359.87,-1004.87 1358.27,-1006.96 1357.26,-1009.39 1356.91,-1012 1356.91,-1422.82 1278.82,-1500.91 835.09,-1500.91 835.09,-595.18 852.18,-578.09 1013,-578.09 1015.61,-577.74 1018.04,-576.74 1020.13,-575.13 1039.13,-556.13 1040.73,-554.04 1041.74,-551.61 1042.09,-549 1042.09,-478 1041.74,-475.39 1041.45,-474.68 1040.73,-472.96 1039.13,-470.87 1015.13,-446.87 1013.04,-445.26 1010.61,-444.26 1008,-443.91 744,-443.91 741.39,-444.26 738.96,-445.26 736.87,-446.87 707.87,-475.87 706.27,-477.96 705.26,-480.39 704.91,-483 704.91,-1159.82 388.82,-1475.91 -1274.82,-1475.91 -1488.91,-1261.82 -1488.91,96.75 -1438.75,146.91 -822,146.91 -819.39,147.26 -816.96,148.27 -814.87,149.87 -743.87,220.87 -742.26,222.96 -741.97,223.67 -741.26,225.39 -740.91,228 -740.91,1077 -741.26,1079.61 -742.26,1082.04 -743.87,1084.13 -782.9,1123.17 -783.27,1124.04 -784.87,1126.13 -786.96,1127.73 -789.39,1128.74 -792,1129.09 -947,1129.09 -949.61,1128.74 -951.33,1128.03 -952.04,1127.73 -954.13,1126.13 -977.18,1103.09 -1948.41,1103.09 -1948.41,1771.65 -1948.41,1783.24 -1945.38,1806.21 -1939.39,1828.59 -1930.52,1850 -1918.93,1870.06 -1904.83,1888.45 -1888.45,1904.83 -1870.06,1918.93 -1850,1930.52 -1828.59,1939.39 -1806.21,1945.38 -1783.24,1948.41 1783.24,1948.41
+12IN on PWR3 (split plane): 1948.41,-1771.65 1948.41,-1783.24 1945.38,-1806.21 1939.39,-1828.59 1930.52,-1850 1918.93,-1870.06 1904.83,-1888.45 1888.45,-1904.83 1870.06,-1918.93 1850,-1930.52 1828.59,-1939.39 1806.21,-1945.38 1783.24,-1948.41 560.09,-1948.41 560.09,-1599.18 638.18,-1521.09 1283,-1521.09 1285.61,-1520.74 1288.04,-1519.74 1290.13,-1518.13 1374.13,-1434.13 1375.73,-1432.04 1376.45,-1430.32 1376.74,-1429.61 1377.09,-1427 1377.09,-1016.18 1427.18,-966.09 1948.41,-966.09
-7V5 on PWR3 (split plane): -587.13,-358.13 -585.04,-359.74 -582.61,-360.74 -580,-361.09 -32.55,-361.09 -31.73,-363.04 -30.13,-365.13 11.91,-407.18 11.91,-470 12.26,-472.61 13.27,-475.04 14.87,-477.13 88.87,-551.13 90.96,-552.74 93.39,-553.74 96,-554.09 248.82,-554.09 324.91,-630.18 324.91,-1017.82 304.82,-1037.91 220,-1037.91 217.39,-1038.26 214.96,-1039.26 212.87,-1040.87 164.87,-1088.87 163.27,-1090.96 162.26,-1093.39 161.91,-1096 161.91,-1162.82 120.82,-1203.91 56.18,-1203.91 46.09,-1193.82 46.09,-1176 46.09,-1094.18 99.13,-1041.13 100.73,-1039.04 101.03,-1038.33 101.74,-1036.61 102.09,-1034 102.09,-704 101.74,-701.39 101.45,-700.68 100.73,-698.96 99.13,-696.87 -27.87,-569.87 -83.44,-514.3 -85.53,-512.69 -87.96,-511.69 -90.57,-511.34 -228.82,-511.34 -296.21,-443.96 -298.3,-442.35 -300.73,-441.35 -303.34,-441 -836.82,-441 -882.91,-394.91 -882.91,-216.18 -863.82,-197.09 -748.18,-197.09
3v3 on PWR3 (split plane): 1776.91,928.82 1776.91,-266.82 1696.82,-346.91 1496.18,-346.91 1408.09,-258.82 1408.09,475 1407.74,477.61 1406.73,480.04 1405.13,482.13 1331.13,556.13 1329.04,557.73 1326.61,558.74 1324,559.09 568.18,559.09 476.09,651.18 476.09,974.82 508.18,1006.91 1698.82,1006.91
GND on GND2 (split plane): 1806.21,1945.38 1828.59,1939.39 1850,1930.52 1870.06,1918.93 1888.45,1904.83 1904.83,1888.45 1918.93,1870.06 1930.52,1850 1939.39,1828.59 1945.38,1806.21 1948.41,1783.24 1948.41,1771.65 1948.41,-1771.65 1948.41,-1783.24 1945.38,-1806.21 1939.39,-1828.59 1930.52,-1850 1918.93,-1870.06 1904.83,-1888.45 1888.45,-1904.83 1870.06,-1918.93 1850,-1930.52 1828.59,-1939.39 1806.21,-1945.38 1783.24,-1948.41 -1783.24,-1948.41 -1806.21,-1945.38 -1828.59,-1939.39 -1850,-1930.52 -1870.06,-1918.93 -1888.45,-1904.83 -1904.83,-1888.45 -1918.93,-1870.06 -1930.52,-1850 -1939.39,-1828.59 -1945.38,-1806.21 -1948.41,-1783.24 -1948.41,-1771.65 -1948.41,1771.65 -1948.41,1783.24 -1945.38,1806.21 -1939.39,1828.59 -1930.52,1850 -1918.93,1870.06 -1904.83,1888.45 -1888.45,1904.83 -1870.06,1918.93 -1850,1930.52 -1828.59,1939.39 -1806.21,1945.38 -1783.24,1948.41 1783.24,1948.41
AGND on GND2 (split plane): -589.09,1004.82 -589.09,705 -588.74,702.39 -587.74,699.96 -586.13,697.87 -260.13,371.87 -258.04,370.27 -255.61,369.26 -253,368.91 664.91,368.91 664.91,175 665.26,172.39 666.27,169.96 667.87,167.87 702.87,132.87 704.96,131.27 707.39,130.26 710,129.91 980,129.91 982.61,130.26 985.04,131.27 987.13,132.87 1018.09,163.82 1019.69,165.91 1020.7,168.35 1021.04,170.96 1021.04,296.78 1052.13,327.87 1053.73,329.96 1054.74,332.39 1055.09,335 1055.09,570.82 1072.98,588.71 1564.91,588.71 1564.91,455 1564.91,340 1564.91,290 1564.91,-71.58 1466.52,-169.97 1067.08,-166.91 1067.04,-166.92 1067,-166.91 832.19,-166.91 829.58,-167.26 827.15,-168.26 825.06,-169.87 552.06,-442.87 500.02,-494.91 -1330.82,-494.91 -1339.91,-485.82 -1339.91,225 -1340.26,227.61 -1341.26,230.04 -1342.87,232.13 -1362.87,252.13 -1364.96,253.73 -1367.39,254.74 -1370,255.09 -1590.82,255.09 -1604.91,269.18 -1604.91,1250.82 -1580.82,1274.91 -859.18,1274.91

## Keep-outs
Keep-Out Layer:
  the board outline again, w10

## Other copper
GND2 (plane layer: these items are gaps in the copper):
  lines w20: 1573.8,598.8 1068.8,598.8 1045,575 1045,335 1010.96,300.96 1010.96,170.96 980,140 710,140 675,175 675,379 -253,379 -579,705 -579,1009 -855,1285 -1585,1285 -1615,1255 -1615,265 -1595,245 -1370,245 -1350,225 -1350,-490 -1335,-505 504.19,-505 559.19,-450 832.19,-177 1067,-177 1470.67,-180.09 1575,-75.76 1575,290 1575,340 1575,455 1575,600
PWR3 (plane layer: these items are gaps in the copper):
  lines w20: -1967,1093 -973,1093 -947,1119 -792,1119 -792,1118 -751,1077 -751,228 -822,157 -1442.93,157 -1499,100.93 -1499,-1266 -1279,-1486 393,-1486 715,-1164 715,-483 744,-454 1008,-454 1032,-478 1032,-549 1013,-568 848,-568 825,-591 825,-1506 ; -23,-351 -580,-351 -744,-187 -868,-187 -893,-212 -893,-399.09 -841,-451.09 -303.34,-451.09 -233,-521.43 -90.57,-521.43 -35,-577 92,-704 92,-1034 36,-1090 36,-1176 36,-1198 52,-1214 125,-1214 172,-1167 172,-1096 220,-1048 309,-1048 335,-1022 335,-626 ; -23,-349 -23,-358 22,-403 22,-470 96,-544 253,-544 333,-624 ; 505,1017 1703,1017 1787,933 1787,-271 1701,-357 1492,-357 1398,-263 1398,475 1324,549 564,549 466,647 466,979 504,1017 506,1017 ; 550,-1969 550,-1595 634,-1511 1283,-1511 1367,-1427 1367,-1012 1423,-956 1973,-956

## Silkscreen, mask and mechanical layers (free items; w line width, h text height)
Mechanical 13:
  the board outline again, w10

## Text inside footprints (layer, text, board x,y; h text height)
*1: Top Overlay "1" at -726.48,1803.28 h35; Top Overlay "2" at -730.48,1630.28 h35; Top Overlay "79" at 679.52,1799.28 h35; Top Overlay "80" at 678.52,1632.28 h35
*2: Top Overlay "1" at 726.48,-1803.28 h35 r180; Top Overlay "2" at 730.48,-1630.28 h35 r180; Top Overlay "79" at -679.52,-1799.28 h35 r180; Top Overlay "80" at -678.52,-1632.28 h35 r180
TC1: Bottom Overlay "+" at 31.85,-456 h35
TC2: Bottom Overlay "+" at 302,-457 h35
TC3: Bottom Overlay "+" at -1060,603.15 h35 r270
TC4: Bottom Overlay "+" at -753.15,-360 h35
TC5: Bottom Overlay "+" at -1065,238.15 h35 r270
TC6: Bottom Overlay "+" at -1060,918.15 h35 r270